# KiCad board 2000ATX.kicad_pcb (continued)
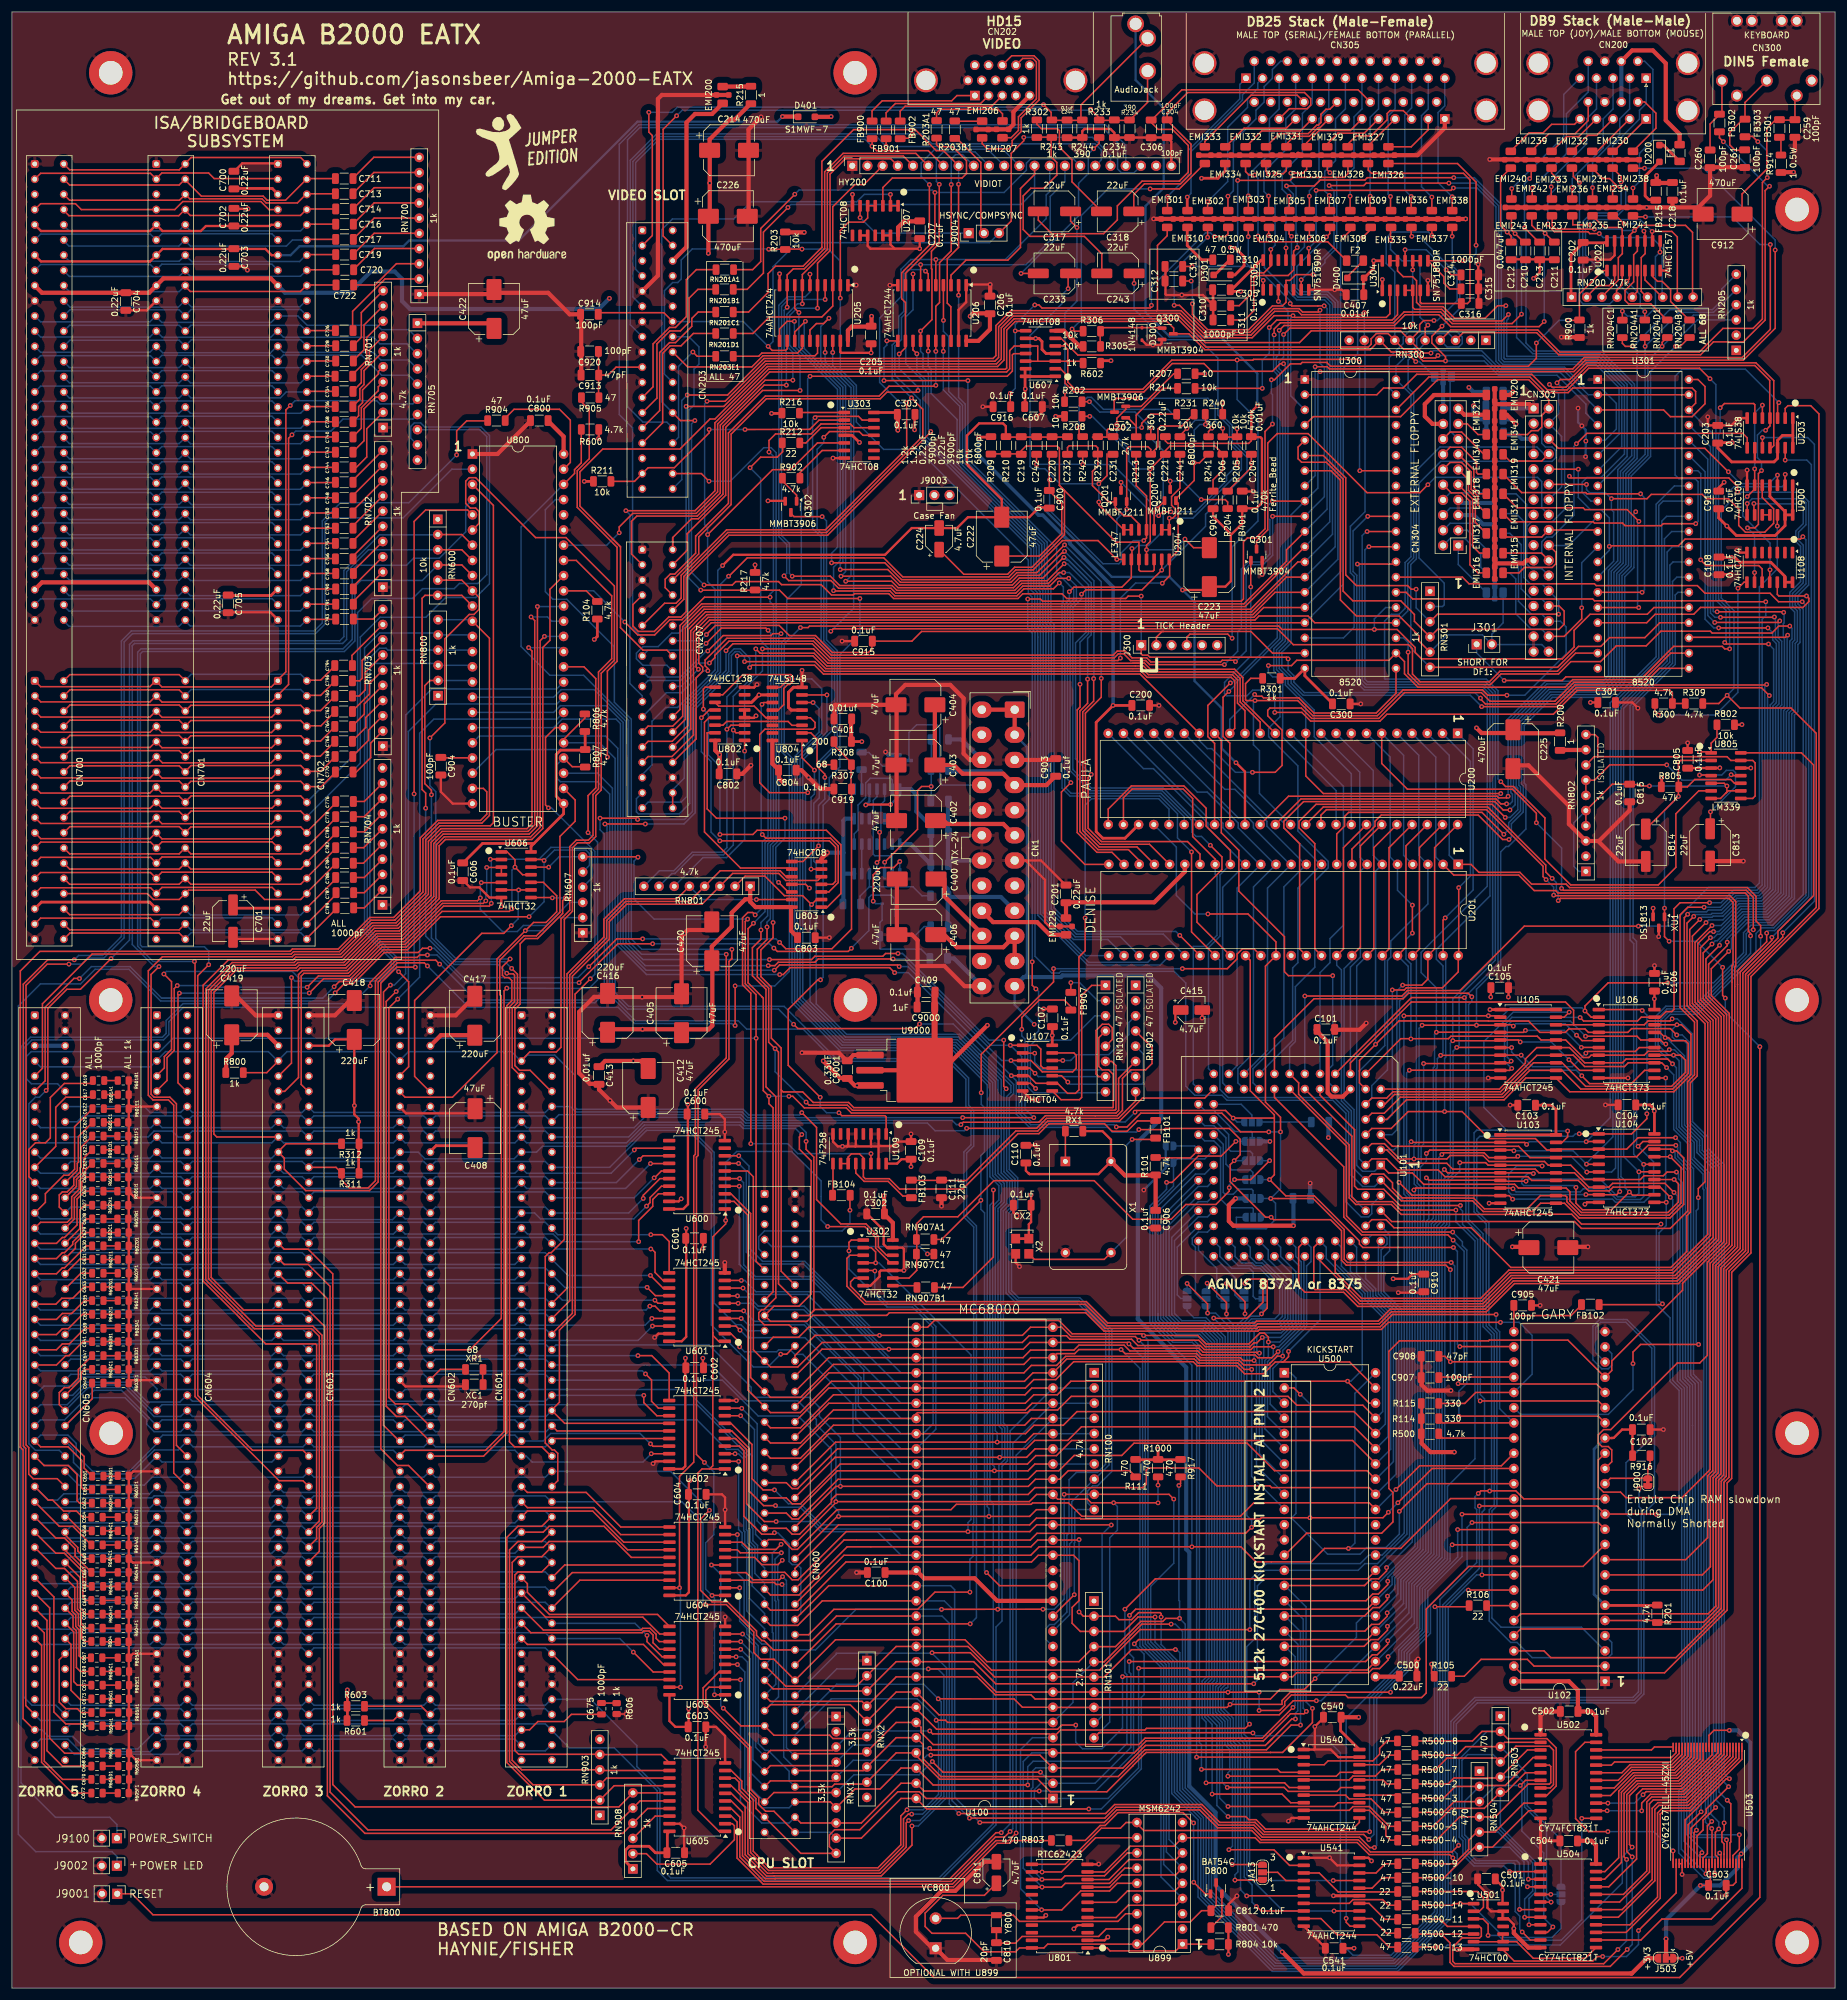
[diagram p0: board, top side]
## Routing (per net, layer and track width the routed paths; a pad name or vN(x,y) marks a point on that pad's centre or on a via; arc(x,y) is an arc through that point) (continued)
Net-(U201A-R2): length 157.4
  Top w0.25: v1(138.61,235.92) 146.9,235.92 148.37,234.44 167.26,234.44 168.43,235.61 172.36,235.61 175.57,238.82 175.83,238.82 175.87,238.86 v1(175.87,239.06) ; U205.15 133.41,277.05 134.49,278.13 135.7,278.13 v1(136.59,279.02) ; v1(179.83,218.72) 179.83,214.67 178.55,213.39 178.55,193.26 181.58,190.23 186.66,190.23 188.47,188.42
  Bottom w0.25: v1(179.83,218.72) 179.83,225.52 180.44,226.13 180.44,234.78 176.65,238.58 176.36,238.58 v1(175.87,239.06) 176.16,239.06 179.76,235.47 ; v1(136.59,279.02) 135.23,277.66 135.23,271.84 139.37,267.69 139.37,236.68 v1(138.61,235.92)
Net-(U201A-R3): length 138.7
  Top w0.25: U205.17 v1(135.95,273.3) ; v1(175.92,238) 173.08,235.16 168.61,235.16 167.44,233.99 148.15,233.99 147.07,235.08 v1(139.4,235.08) ; U201.23 183.91,189.78 181.4,189.78 178.1,193.07 178.1,213.57 178.56,214.04 v1(178.56,217.86)
  Bottom w0.25: v1(178.56,217.86) 178.56,224.88 179.99,226.31 179.99,234.49 176.49,238 v1(175.92,238) ; v1(139.4,235.08) 140.27,235.95 140.27,267.43 135.95,271.75 v1(135.95,273.3)
Net-(U201B-VCC): length 25.8
  Top w0.7: EMI229.2 176.23,181.43 190.98,181.43 196.09,186.54 U201.19
Net-(U202-Za): length 9.7
  Top w0.25: 273,278.67 v1(273,280.11) ; 270.41,286.91 270.41,285.6 v1(270,285.19)
  Bottom w0.25: v1(273,280.11) 272.23,280.88 272.23,282.96 v1(270,285.19)
Net-(U202-Zb): length 11.3
  Top w0.25: 280.47,278.67 277.31,281.82 277.31,283.78 275.89,285.19 275.11,285.19 274.29,286.01 U202.7
Net-(U202-Zc): length 19.4
  Top w0.25: 269.24,278.64 v1(269.24,280.21) ; v1(275.54,290.07) 275.54,291.91
  Bottom w0.25: v1(275.54,290.07) 274.77,289.3 274.77,280.81 273.35,279.39 270.07,279.39 v1(269.24,280.21)
Net-(U202-Zd): length 19.2
  Top w0.25: U202.12 271.75,290.25 271.13,289.62 271.13,285.1 269.69,283.66 269.69,282.01 270.27,281.42 274,281.42 276.76,278.67
Net-(U204A--): length 74.6
  Top w0.25: v1(187.61,284.84) C243.1 ; 195.28,256.36 195.28,250.63 193.87,249.23 193.87,247.77 194.52,247.12 194.52,246.08 194.06,245.62 v1(193.5,245.62) U204.1 U204.2
  Bottom w0.25: v1(187.61,284.84) 187.61,280.56 192.74,275.44 198.53,275.44 201.61,272.35 201.61,262.88 203.56,260.93 203.56,258.05 205.55,256.07 205.55,253.73 197.44,245.62 v1(193.5,245.62)
Net-(U204B-+): length 63.4
  Top w0.25: v1(176.58,283.97) 176.58,286.1 ; v1(181.71,248.31) 181.71,247.84 U204.7 U204.6 ; 183.08,256.36 183.08,252.73 v1(181.71,251.36)
  Bottom w0.25: v1(181.71,248.31) v1(181.71,251.36) 175.22,251.36 172.69,253.88 170.59,253.88 170.22,254.26 170.22,276.12 175.59,281.5 175.59,282.99 v1(176.58,283.97)
Net-(U205-1Y2): length 13.4
  Top w0.25: 120.53,272.67 124.84,272.67 125.38,273.2 131.32,273.2 132.14,274.03 132.14,275.26
Net-(U300A-_CS): length 351.6
  Top w0.25: v1(233.43,223.22) 233.43,219.65 235.26,217.82 247.18,217.82 248.95,219.58 258.57,219.58 260.64,221.65 265.59,221.65 268.22,224.28 273.24,224.28 275.68,226.73 283.95,226.73 284.26,226.42 294.23,226.42 295.4,227.58 v1(297.23,227.58) ; v1(284.23,174.45) 282.75,172.97 282.75,165.31 285.76,162.3 285.76,124.85 278.62,117.71 251.2,117.71 246.49,113 230.62,113 228.62,111 208.27,111 207.93,110.67 183.02,110.67 179.44,114.25 142.61,114.25 139.6,117.26 139.6,121.94 140.11,122.44 U302.3
  Bottom w0.25: v1(284.23,174.45) 284.78,175.01 285.12,175.01 289.51,179.4 293.44,179.4 296.66,182.62 296.66,213.27 297.24,213.85 297.24,225.05 297.6,225.42 297.6,227.21 v1(297.23,227.58) ; U300.23 232.66,225.6 233.43,224.84 v1(233.43,223.22)
Net-(U301A-_CS): length 284.3
  Top w0.25: v1(283.97,175.51) 282.3,173.85 282.3,165.13 285.31,162.12 285.31,125.04 278.43,118.16 251.01,118.16 246.3,113.45 230.43,113.45 228.44,111.45 208.08,111.45 207.75,111.12 183.2,111.12 179.62,114.7 142.8,114.7 140.2,117.29 140.2,118.01 140.83,118.63 U302.6 ; 280.47,225.7 296.52,225.7 v1(296.88,226.06)
  Bottom w0.25: v1(296.88,226.06) 296.79,225.97 296.79,214.04 296.21,213.46 296.21,182.8 293.25,179.85 289.32,179.85 285.56,176.08 285.1,176.08 284.54,175.51 v1(283.97,175.51)
Net-(U540-O0a): length 7.1
  Top w0.25: U540.18 228.62,37.31 230.22,38.91 231.72,38.91
Net-(U540-O0b): length 17.4
  Top w0.25: 231.74,27.02 230.26,27.02 226.96,30.32 224.2,30.32 223.58,29.69 U540.9
Net-(U540-O1a): length 6.8
  Top w0.25: 231.75,34.1 229.9,34.1 229.22,34.77 U540.16
Net-(U540-O1b): length 17
  Top w0.25: U540.7 222.96,32.23 223.59,31.61 227.23,31.61 229.49,29.35 231.75,29.35
Net-(U540-O2a): length 6.7
  Top w0.25: 231.75,31.7 231.22,32.23 U540.14
Net-(U540-O2b): length 16.5
  Top w0.25: U540.5 223.56,34.77 224.2,35.42 227.95,35.42 229.04,36.5 231.76,36.5
Net-(U540-O3a): length 9.4
  Top w0.25: U540.12 226.95,29.69 229.7,26.94 229.7,25.46 230.46,24.7 231.74,24.7
Net-(U540-O3b): length 17.9
  Top w0.25: U540.3 219.4,37.31 220.04,37.96 227.53,37.96 228.66,39.09 228.66,40.06 229.89,41.29 231.71,41.29
Net-(U541-O0a): length 7.1
  Top w0.25: U541.18 228.06,19.23 229.6,20.77 231.76,20.77
Net-(U541-O0b): length 17.7
  Top w0.25: 231.75,6.84 230.27,6.84 228.22,8.89 221.57,8.89 218.85,11.61 U541.9
Net-(U541-O1a): length 7.2
  Top w0.25: 231.75,18.44 229.14,18.44 227.4,16.69 U541.16
Net-(U541-O1b): length 16.4
  Top w0.25: U541.7 223.58,14.15 224.2,14.77 229.17,14.77 230.11,13.83 231.76,13.83
Net-(U541-O2a): length 7.6
  Top w0.25: 231.75,11.49 229.54,11.49 226.88,14.15 U541.14
Net-(U541-O3a): length 7.5
  Top w0.25: 231.75,9.16 229.8,9.16 227.36,11.61 U541.12
Net-(U541-O3b): length 17
  Top w0.25: U541.3 218.57,19.23 221.73,16.06 231.68,16.06
Net-(U800A-_C4): length 88.9
  Top w0.25: v1(99.55,205.69) 99.55,220.07 101.17,221.69 101.17,240.76 94.51,247.42 94.51,253.54 96.52,255.55 96.52,263.73 95.21,265.04
  Bottom w0.25: U800.22 80.94,206.95 98.29,206.95 v1(99.55,205.69)
Net-(U800A-DOE): length 21
  Top w0.25: 82.4,262.26 83.95,263.8 91.55,263.8 93.35,262 93.35,254.92 U800.47
Net-(U802-O0): length 41.5
  Top w0.25: U802.15 116.26,209.75 116.23,209.73 116.23,197.03 117.78,195.48 v1(129.24,195.48) ; 129.77,183.16 v1(128.17,184.76)
  Bottom w0.25: v1(128.17,184.76) 127.7,185.23 127.7,190.6 129.24,192.14 v1(129.24,195.48)
Net-(U802-O1): length 15.1
  Top w0.25: U804.3 130.4,211 129.76,211.64 126.12,211.64 126.11,211.65 119.5,211.65 118.87,211.02 U802.14
Net-(U802-O2): length 37.6
  Top w0.25: U803.9 130.21,187.15 121.81,187.15 115.78,193.18 115.78,211.51 116.57,212.29 U802.13
Net-(U802-O3): length 52.7
  Top w0.25: U803.4 137.21,184.43 137.69,184.91 137.69,190.65 136.65,191.69 v1(118.34,191.69) ; v1(115.27,212.27) 116.56,213.56 U802.12
  Bottom w0.25: v1(115.27,212.27) 115.27,206.58 116.88,204.96 116.88,193.16 v1(118.34,191.69)
Net-(U802-O4): length 10.7
  Top w0.25: U802.11 118.17,214.21 124.1,214.21 126.03,212.27 U804.13
Net-(U802-O5): length 22.3
  Top w0.25: U802.10 118.85,216.1 122.21,219.47 130.22,219.47 130.6,219.09 130.6,218.4 130.03,217.83 129.72,217.83 129.03,217.14 129.03,214.45 128.12,213.54 U804.12
Net-(U802-O6): length 61.4
  Top w0.25: v1(115.6,213.69) 115.6,217.07 115.9,217.37 U802.9 ; U803.1 136.32,180.62 138.59,182.9 138.59,191.03 136.16,193.46 124.58,193.46 123.88,192.76 v1(118.36,192.76)
  Bottom w0.25: v1(118.36,192.76) 118.36,204.11 116.43,206.04 116.43,212.85 v1(115.6,213.69)
Net-(U804-I1): length 46.8
  Top w0.25: U804.11 125.7,214.81 v1(125.4,214.5) ; v1(125.45,192.74) 126.04,192.14 136.84,192.14 138.14,190.84 138.14,184.73 136.58,183.16 U803.3
  Bottom w0.25: v1(125.4,214.5) 125.26,214.36 125.26,192.93 v1(125.45,192.74)
Net-(U804-I4): length 24.3
  Top w0.25: U804.1 132.09,205.58 v1(134.16,203.5) ; v1(133.6,186.97) U803.6
  Bottom w0.25: v1(134.16,203.5) 134.16,199.53 133.6,198.97 v1(133.6,186.97)
Net-(U804-I5): length 27.3
  Top w0.25: v1(135.9,202.3) 135.9,202.84 134.6,204.14 134.6,208.7 133.56,209.74 132.08,209.74 ; U803.8 132.24,188.24 v1(134.85,190.85)
  Bottom w0.25: v1(135.9,202.3) 135.9,198.67 134.85,197.62 v1(134.85,190.85)
Net-(U804-I7): length 49.4
  Top w0.25: U804.4 133.48,212.27 134.26,211.48 134.26,210.67 133.95,210.35 125.9,210.35 125.02,209.47 125.02,201.4 126.67,199.75 v1(133.05,199.75) ; v1(133.32,183.79) 132.69,184.43 U803.11
  Bottom w0.25: v1(133.05,199.75) 132.66,199.36 132.66,184.46 v1(133.32,183.79)
Net-(U805A--): length 30.2
  Top w0.25: R802.1 285.06,208.99 284.09,208.02 U805.1 ; v1(282.14,206.57) 283.92,206.57 ; v1(283.97,196.55) 283.97,193.76 ; v1(282.14,202.69) 283.99,202.69
  Bottom w0.25: v1(283.97,196.55) 288.15,200.72 288.15,203.09 287.77,203.47 286.63,203.47 285.85,202.69 v1(282.14,202.69) 282.14,206.56 v1(282.14,206.57)
Net-(U899-_XT): length 26.7
  Top w0.25: Y800.1 164.59,7.5 167.77,7.5 168.89,8.62 181.68,8.62 182.94,9.88 U899.17
Net-(U899-XT): length 34.8
  Top w0.25: VC800.2 158.09,11.64 158.62,12.17 Y800.2 167.41,12.17 168.44,11.14 184.91,11.14 186.19,12.42 U899.16
Net-(U900-Pad10): length 1.3
  Top w0.25: U900.10 U900.11
Net-(U9101-Pad6): length 4.9
  Bottom w0.25: U9101.6 U9101.9
Net-(U9102B-C): length 17.3
  Bottom w0.25: U9101.2 147.16,189.07 147.03,189.2 144.27,189.2 144,189.47 144,198.46 144.62,199.08 U9102.11
Net-(U9102B-D): length 14.7
  Top w0.25: v1(145.05,193.13) 145.05,188.5 v1(144.62,188.07)
  Bottom w0.25: U9101.4 v1(144.62,188.07) ; U9102.12 145.89,198.39 145.27,197.76 145.27,193.34 v1(145.05,193.13)
Net-(U9102B-Q): length 3.3
  Bottom w0.25: 142.04,200.34 142.04,203.66
Net-(U9102B-~{R}): length 17.4
  Bottom w0.25: U9102.13 147.16,201.89 146.91,202.14 143.51,202.14 142.73,201.36 142.73,198.95 141.46,197.68 141.46,193.5 140.81,192.86 U9101.8
Net-(X1-Enable): length 5.1
  Top w0.25: 176.12,143.18 X1.1
Net-(X1-OUT): length 38.6
  Top w0.25: X2.3 170.93,121.76 182.62,121.76 X1.8 ; v1(187.28,141.8) 190.91,141.8
  Bottom w0.25: X1.8 186.33,125.48 186.33,140.84 187.26,141.77
Net-(XC1-Pad1): length 2.5
  Top w0.25: 78.69,103.38 78.69,100.84

## Copper pours and planes (outline as drawn; the poured copper is in the pictures)
+5V on In2.Cu: 304.8,0.03 0.09,0.03 -0.01,330.18 304.69,330.18
+12V on In2.Cu: 2.54,153.67 2.54,148.46 93.73,148.46 93.6,153.54
-5V on In2.Cu: 93.6,153.16 93.6,155.96 6.73,155.96 6.73,153.29
-12V on In2.Cu: 2.54,141.35 2.54,138.05 92.58,138.18 92.58,141.35
GND on Top: 304.77,330.14 304.74,0.06 0.11,0.01 0.03,330.14
GND on Bottom: 304.71,330.14 304.69,0.06 0.06,0.01 -0.02,330.14
GND on In1.Cu: 304.77,330.14 304.74,0.06 0.11,0.01 0.03,330.14

## Text on the board
B.Silkscreen: 1 | 3
F.Silkscreen: ISOLATED | ALL / 1000pF | ALL 47 | OPTIONAL WITH U899 | 1000pF | 3 | 1 | SHORT FOR / DF1: | +3V3 | +5V | ALL 1k | ALL 68 | Enable Chip RAM slowdown / during DMA / Normally Shorted | + | ZORRO 5 | ZORRO 4 | ZORRO 3 | Get out of my dreams. Get into my car. | ZORRO 2 | ZORRO 1 | VIDEO SLOT | CPU SLOT | VIDEO | HD15 | AGNUS 8372A or 8375 | DB25 Stack (Male-Female) | DB9 Stack (Male-Male) | DIN5 Female | 512k 27C400 KICKSTART INSTALL AT PIN 2 | JUMPER / EDITION | ISA/BRIDGEBOARD / SUBSYSTEM | REV 3.1 / https://github.com/jasonsbeer/Amiga-2000-EATX | BASED ON AMIGA B2000-CR / HAYNIE/FISHER | AMIGA B2000 EATX
